# Altium PCB MB1166.PcbDoc (part 17 of 39)
Units mil, origin at the board's own origin, x right, y up, seen from the top; angles counter-clockwise.
Board outline 5000.99 x 2352.96 mil, 4 copper layers (TOP, L2_GND, L3_VCC, BOTTOM), stack 25.9 mil thick; 35 components, 24 nets, 166 pads, 143 vias.
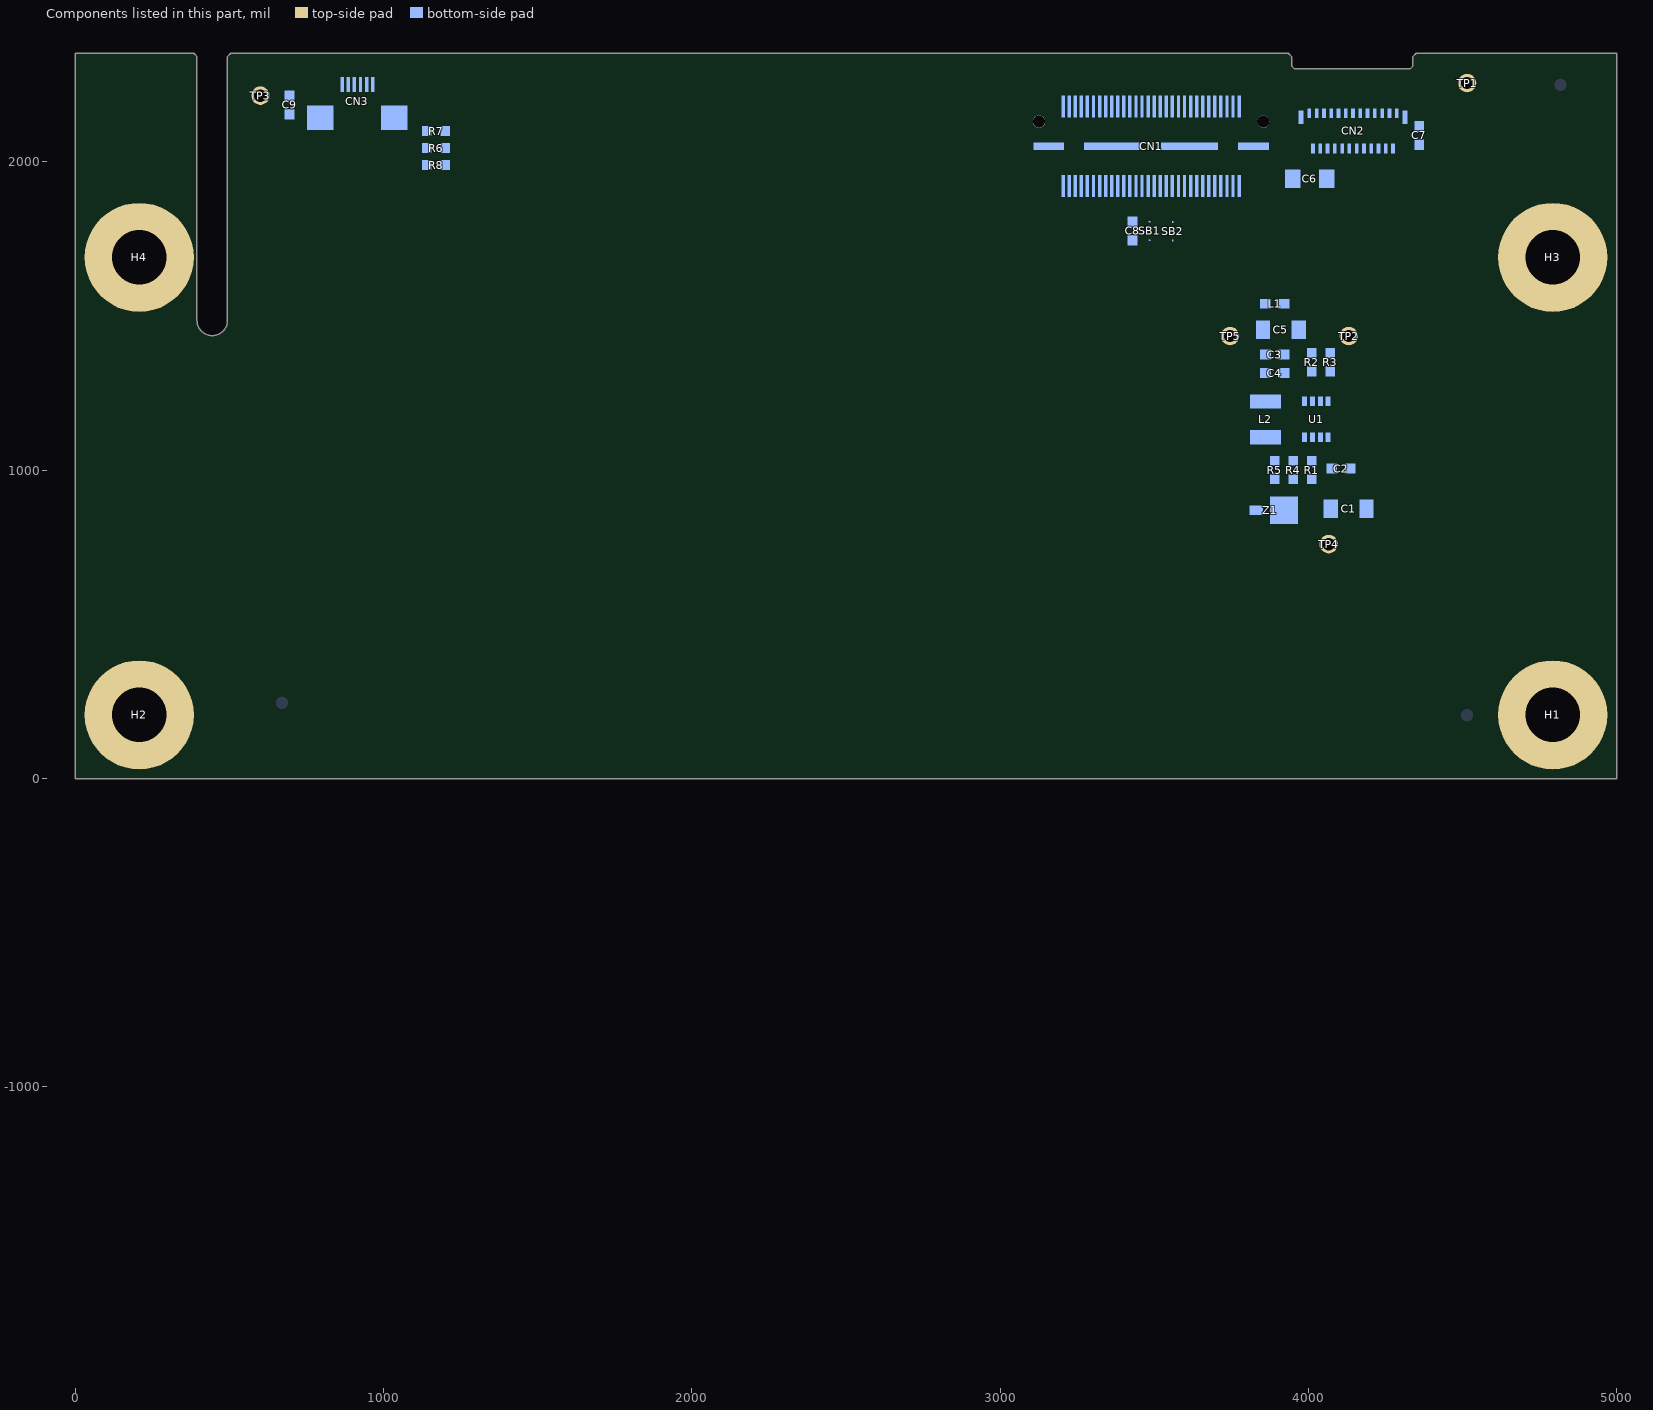
[diagram p19: the components of this part, seen from the top]

## Via types
v1: diameter 24, hole 12, TOP to BOTTOM, 143 vias

## Nets (pads, with @x,y where several pads share a name; then routed paths per layer and width w, separated by ;. In a path a pad name is that pad's centre, name@x,y a point inside that pad or via, vN(x,y) a via of type N, cw(c..) or ccw(c..) an arc to the next point about the centre after c; other vN are vias at no path point) (continued)
copper on no net: (continued)
  TOP w3: 499.92,-1119.36 499.94,-1119.27 ; 499.92,-1119.36 499.94,-1119.27 ; 499.97,-1140.77 499.95,-1140.68 ; 499.97,-1140.77 500,-1140.87 ; 499.97,-1140.77 499.95,-1140.68 ; 499.97,-1140.77 500,-1140.87 ; 499.94,-1119.27 499.96,-1119.17 ; 499.94,-1119.27 499.96,-1119.17 ; 499.96,-1119.17 499.99,-1119.07 ; 499.96,-1119.17 499.99,-1119.07 ; 500.02,-1140.97 500,-1140.87 ; 500.02,-1140.97 500.04,-1141.06 ; 500.02,-1140.97 500,-1140.87 ; 500.02,-1140.97 500.04,-1141.06 ; 499.99,-1119.07 500.01,-1118.97 ; 499.99,-1119.07 500.01,-1118.97 ; 500.01,-1118.97 500.04,-1118.88 ; 500.01,-1118.97 500.04,-1118.88 ; 500.07,-1141.16 500.04,-1141.06 ; 500.07,-1141.16 500.09,-1141.26 ; 500.07,-1141.16 500.04,-1141.06 ; 500.07,-1141.16 500.09,-1141.26 ; 500.04,-1118.88 500.06,-1118.78 ; 500.04,-1118.88 500.06,-1118.78 ; 500.06,-1118.78 500.09,-1118.68 ; 500.06,-1118.78 500.09,-1118.68 ; 500.1,-1233.83 500.2,-1233.87 ; 500.1,-1233.83 500.2,-1233.87 ; 500.12,-1141.35 500.09,-1141.26 ; 500.12,-1141.35 500.14,-1141.45 ; 500.12,-1141.35 500.09,-1141.26 ; 500.12,-1141.35 500.14,-1141.45 ; 500.09,-1118.68 500.11,-1118.59 ; 500.09,-1118.68 500.11,-1118.59 ; 500.11,-1118.59 500.14,-1118.49 ; 500.11,-1118.59 500.14,-1118.49 ; 500.17,-1141.55 500.14,-1141.45 ; 500.17,-1141.55 500.2,-1141.64 ; 500.17,-1141.55 500.14,-1141.45 ; 500.17,-1141.55 500.2,-1141.64 ; 500.14,-1118.49 500.16,-1118.39 ; 500.14,-1118.49 500.16,-1118.39 ; 500.16,-1118.39 500.19,-1118.3 ; 500.16,-1118.39 500.19,-1118.3 ; 500.16,-1088.94 500.26,-1088.91 ; 500.16,-1088.94 500.26,-1088.91 ; 500.2,-1233.87 500.29,-1233.91 ; 500.2,-1233.87 500.29,-1233.91 ; 500.22,-1141.74 500.2,-1141.64 ; 500.22,-1141.74 500.25,-1141.84 ; 500.22,-1141.74 500.2,-1141.64 ; 500.22,-1141.74 500.25,-1141.84 ; 500.19,-1118.3 500.21,-1118.2 ; 500.19,-1118.3 500.21,-1118.2 ; 500.21,-1118.2 500.24,-1118.1 ; 500.21,-1118.2 500.24,-1118.1 ; 500.27,-1141.93 500.25,-1141.84 ; 500.27,-1141.93 500.33,-1142.13 ; 500.27,-1141.93 500.25,-1141.84 ; 500.27,-1141.93 500.33,-1142.13 ; 500.24,-1118.1 500.27,-1118.01 ; 500.24,-1118.1 500.27,-1118.01 ; 500.27,-1118.01 500.3,-1117.91 ; 500.27,-1118.01 500.3,-1117.91 ; 500.26,-1088.91 500.53,-1088.79 ; 500.26,-1088.91 500.53,-1088.79 ; 500.29,-1233.91 500.38,-1233.94 ; 500.29,-1233.91 500.38,-1233.94 ; 500.3,-1117.91 500.32,-1117.82 ; 500.3,-1117.91 500.32,-1117.82 ; 500.32,-1117.82 500.38,-1117.62 ; 500.32,-1117.82 500.38,-1117.62 ; 500.36,-1142.22 500.33,-1142.13 ; 500.36,-1142.22 500.38,-1142.32 ; 500.36,-1142.22 500.33,-1142.13 ; 500.36,-1142.22 500.38,-1142.32 ; 500.38,-1233.94 500.47,-1233.98 ; 500.38,-1233.94 500.47,-1233.98 ; 500.41,-1142.41 500.38,-1142.32 ; 500.41,-1142.41 500.47,-1142.61 ; 500.41,-1142.41 500.38,-1142.32 ; 500.41,-1142.41 500.47,-1142.61 ; 500.38,-1117.62 500.41,-1117.53 ; 500.38,-1117.62 500.41,-1117.53 ; 500.41,-1117.53 500.43,-1117.43 ; 500.41,-1117.53 500.43,-1117.43 ; 500.47,-1233.98 500.57,-1234.02 ; 500.47,-1233.98 500.57,-1234.02 ; 500.47,-1142.61 500.5,-1142.7 ; 500.47,-1142.61 500.5,-1142.7 ; 500.43,-1117.43 500.46,-1117.33 ; 500.43,-1117.43 500.46,-1117.33 ; 500.46,-1117.33 500.49,-1117.24 ; 500.46,-1117.33 500.49,-1117.24 ; 500.5,-1142.7 500.53,-1142.8 ; 500.5,-1142.7 500.53,-1142.8 ; 500.49,-1117.24 500.52,-1117.14 ; 500.49,-1117.24 500.52,-1117.14 ; 500.52,-1117.14 500.55,-1117.05 ; 500.52,-1117.14 500.55,-1117.05 ; 500.57,-1234.02 500.66,-1234.06 ; 500.57,-1234.02 500.66,-1234.06 ; 500.56,-1142.89 500.53,-1142.8 ; 500.56,-1142.89 500.59,-1142.99 ; 500.56,-1142.89 500.53,-1142.8 ; 500.56,-1142.89 500.59,-1142.99 ; 500.55,-1117.05 500.58,-1116.95 ; 500.55,-1117.05 500.58,-1116.95 ; 500.53,-1088.79 500.63,-1088.75 ; 500.53,-1088.79 500.63,-1088.75 ; 500.61,-1143.08 500.59,-1142.99 ; 500.61,-1143.08 500.64,-1143.18 ; 500.61,-1143.08 500.59,-1142.99 ; 500.61,-1143.08 500.64,-1143.18 ; 500.58,-1116.95 500.61,-1116.86 ; 500.58,-1116.95 500.61,-1116.86 ; 500.61,-1116.86 500.64,-1116.76 ; 500.61,-1116.86 500.64,-1116.76 ; 500.66,-1234.06 500.75,-1234.09 ; 500.66,-1234.06 500.75,-1234.09 ; 500.64,-1143.18 500.68,-1143.28 ; 500.64,-1143.18 500.68,-1143.28 ; 500.64,-1116.76 500.67,-1116.67 ; 500.64,-1116.76 500.67,-1116.67 ; 500.67,-1116.67 500.73,-1116.47 ; 500.67,-1116.67 500.73,-1116.47 ; 500.63,-1088.75 500.72,-1088.72 ; 500.63,-1088.75 500.72,-1088.72 ; 500.71,-1143.37 500.68,-1143.28 ; 500.71,-1143.37 500.74,-1143.47 ; 500.71,-1143.37 500.68,-1143.28 ; 500.71,-1143.37 500.74,-1143.47 ; 500.72,-1088.72 500.9,-1088.64 ; 500.72,-1088.72 500.9,-1088.64 ; 500.75,-1234.09 500.84,-1234.13 ; 500.75,-1234.09 500.84,-1234.13 ; 500.77,-1143.56 500.74,-1143.47 ; 500.77,-1143.56 500.8,-1143.66 ; 500.77,-1143.56 500.74,-1143.47 ; 500.77,-1143.56 500.8,-1143.66 ; 500.73,-1116.47 500.76,-1116.38 ; 500.73,-1116.47 500.76,-1116.38 ; 500.76,-1116.38 500.79,-1116.28 ; 500.76,-1116.38 500.79,-1116.28 ; 500.8,-1143.66 500.83,-1143.75 ; 500.8,-1143.66 500.83,-1143.75 ; 500.79,-1116.28 500.82,-1116.19 ; 500.79,-1116.28 500.82,-1116.19 ; 500.82,-1116.19 500.85,-1116.09 ; 500.82,-1116.19 500.85,-1116.09 ; 500.84,-1234.13 500.94,-1234.17 ; 500.84,-1234.13 500.94,-1234.17 ; 500.86,-1143.85 500.83,-1143.75 ; 500.86,-1143.85 500.89,-1143.94 ; 500.86,-1143.85 500.83,-1143.75 ; 500.86,-1143.85 500.89,-1143.94 ; 500.85,-1116.09 500.88,-1116 ; 500.85,-1116.09 500.88,-1116 ; 500.89,-1143.94 500.93,-1144.04 ; 500.89,-1143.94 500.93,-1144.04 ; 500.88,-1116 500.91,-1115.9 ; 500.88,-1116 500.91,-1115.9 ; 500.91,-1115.9 500.94,-1115.81 ; 500.91,-1115.9 500.94,-1115.81 ; 500.9,-1088.64 501,-1088.6 ; 500.9,-1088.64 501,-1088.6 ; 500.94,-1234.17 501.03,-1234.21 ; 500.94,-1234.17 501.03,-1234.21 ; 500.93,-1144.04 500.99,-1144.22 ; 500.93,-1144.04 500.99,-1144.22 ; 500.94,-1115.81 500.98,-1115.71 ; 500.94,-1115.81 500.98,-1115.71 ; 501.02,-1144.32 500.99,-1144.22 ; 501.02,-1144.32 501.06,-1144.41 ; 501.02,-1144.32 500.99,-1144.22 ; 501.02,-1144.32 501.06,-1144.41 ; 500.98,-1115.71 501.04,-1115.53 ; 500.98,-1115.71 501.04,-1115.53 ; 501,-1088.6 501.09,-1088.57 ; 501,-1088.6 501.09,-1088.57 ; 501.03,-1234.21 501.12,-1234.24 ; 501.03,-1234.21 501.12,-1234.24 ; 501.06,-1144.41 501.09,-1144.51 ; 501.06,-1144.41 501.09,-1144.51 ; 501.04,-1115.53 501.07,-1115.43 ; 501.04,-1115.53 501.07,-1115.43 ; 501.07,-1115.43 501.1,-1115.34 ; 501.07,-1115.43 501.1,-1115.34 ; 501.12,-1234.24 501.21,-1234.28 ; 501.12,-1234.24 501.21,-1234.28 ; 501.09,-1144.51 501.13,-1144.6 ; 501.09,-1144.51 501.13,-1144.6 ; 501.1,-1115.34 501.14,-1115.24 ; 501.1,-1115.34 501.14,-1115.24 ; 501.09,-1088.57 501.18,-1088.53 ; 501.09,-1088.57 501.18,-1088.53 ; 501.16,-1144.7 501.13,-1144.6 ; 501.16,-1144.7 501.19,-1144.79 ; 501.16,-1144.7 501.13,-1144.6 ; 501.16,-1144.7 501.19,-1144.79 ; 501.14,-1115.24 501.17,-1115.15 ; 501.14,-1115.24 501.17,-1115.15 ; 501.17,-1115.15 501.2,-1115.05 ; 501.17,-1115.15 501.2,-1115.05 ; 501.21,-1234.28 501.31,-1234.32 ; 501.21,-1234.28 501.31,-1234.32 ; 501.19,-1144.79 501.23,-1144.88 ; 501.19,-1144.79 501.23,-1144.88 ; 501.2,-1115.05 501.24,-1114.96 ; 501.2,-1115.05 501.24,-1114.96 ; 501.18,-1088.53 501.28,-1088.49 ; 501.18,-1088.53 501.28,-1088.49 ; 501.26,-1144.98 501.23,-1144.88 ; 501.26,-1144.98 501.3,-1145.07 ; 501.26,-1144.98 501.23,-1144.88 ; 501.26,-1144.98 501.3,-1145.07 ; 501.24,-1114.96 501.27,-1114.86 ; 501.24,-1114.96 501.27,-1114.86 ; 501.27,-1114.86 501.3,-1114.77 ; 501.27,-1114.86 501.3,-1114.77 ; 501.31,-1234.32 501.4,-1234.35 ; 501.31,-1234.32 501.4,-1234.35 ; 501.3,-1145.07 501.33,-1145.16 ; 501.3,-1145.07 501.33,-1145.16 ; 501.3,-1114.77 501.34,-1114.68 ; 501.3,-1114.77 501.34,-1114.68 ; 501.28,-1088.49 501.37,-1088.46 ; 501.28,-1088.49 501.37,-1088.46 ; 501.37,-1145.26 501.33,-1145.16 ; 501.37,-1145.26 501.4,-1145.35 ; 501.37,-1145.26 501.33,-1145.16 ; 501.37,-1145.26 501.4,-1145.35 ; 501.34,-1114.68 501.37,-1114.58 ; 501.34,-1114.68 501.37,-1114.58 ; 501.37,-1114.58 501.41,-1114.49 ; 501.37,-1114.58 501.41,-1114.49 ; 501.37,-1088.46 501.46,-1088.42 ; 501.37,-1088.46 501.46,-1088.42 ; 501.4,-1234.35 501.49,-1234.39 ; 501.4,-1234.35 501.49,-1234.39 ; 501.4,-1145.35 501.44,-1145.44 ; 501.4,-1145.35 501.44,-1145.44 ; 501.41,-1114.49 501.44,-1114.39 ; 501.41,-1114.49 501.44,-1114.39 ; 501.44,-1145.44 501.48,-1145.54 ; 501.44,-1145.44 501.48,-1145.54 ; 501.44,-1114.39 501.48,-1114.3 ; 501.44,-1114.39 501.48,-1114.3 ; 501.46,-1088.42 501.56,-1088.38 ; 501.46,-1088.42 501.56,-1088.38 ; 501.49,-1234.39 501.59,-1234.43 ; 501.49,-1234.39 501.59,-1234.43 ; 501.51,-1145.63 501.48,-1145.54 ; 501.51,-1145.63 501.55,-1145.72 ; 501.51,-1145.63 501.48,-1145.54 ; 501.51,-1145.63 501.55,-1145.72 ; 501.48,-1114.3 501.51,-1114.21 ; 501.48,-1114.3 501.51,-1114.21 ; 501.51,-1114.21 501.55,-1114.11 ; 501.51,-1114.21 501.55,-1114.11 ; 501.55,-1145.72 501.59,-1145.82 ; 501.55,-1145.72 501.59,-1145.82 ; 501.55,-1114.11 501.58,-1114.02 ; 501.55,-1114.11 501.58,-1114.02 ; 501.56,-1088.38 501.65,-1088.35 ; 501.56,-1088.38 501.65,-1088.35 ; 501.59,-1234.43 501.68,-1234.46 ; 501.59,-1234.43 501.68,-1234.46 ; 501.62,-1145.91 501.59,-1145.82 ; 501.62,-1145.91 501.7,-1146.09 ; 501.62,-1145.91 501.59,-1145.82 ; 501.62,-1145.91 501.7,-1146.09 ; 501.58,-1114.02 501.62,-1113.93 ; 501.58,-1114.02 501.62,-1113.93 ; 501.62,-1113.93 501.65,-1113.83 ; 501.62,-1113.93 501.65,-1113.83 ; 501.65,-1113.83 501.73,-1113.65 ; 501.65,-1113.83 501.73,-1113.65 ; 501.65,-1088.35 501.83,-1088.27 ; 501.65,-1088.35 501.83,-1088.27 ; 501.68,-1234.46 501.77,-1234.5 ; 501.68,-1234.46 501.77,-1234.5 ; 501.7,-1146.09 501.74,-1146.19 ; 501.7,-1146.09 501.74,-1146.19 ; 501.77,-1234.5 501.87,-1234.54 ; 501.77,-1234.5 501.87,-1234.54 ; 501.74,-1146.19 501.78,-1146.28 ; 501.74,-1146.19 501.78,-1146.28 ; 501.73,-1113.65 501.76,-1113.55 ; 501.73,-1113.65 501.76,-1113.55 ; 501.76,-1113.55 501.84,-1113.37 ; 501.76,-1113.55 501.84,-1113.37 ; 501.81,-1146.37 501.78,-1146.28 ; 501.81,-1146.37 501.85,-1146.46 ; 501.81,-1146.37 501.78,-1146.28 ; 501.81,-1146.37 501.85,-1146.46 ; 501.87,-1234.54 501.96,-1234.57 ; 501.87,-1234.54 501.96,-1234.57 ; 501.85,-1146.46 501.89,-1146.56 ; 501.85,-1146.46 501.89,-1146.56 ; 501.84,-1113.37 501.87,-1113.27 ; 501.84,-1113.37 501.87,-1113.27 ; 501.87,-1113.27 501.95,-1113.09 ; 501.87,-1113.27 501.95,-1113.09 ; 501.83,-1088.27 501.93,-1088.24 ; 501.83,-1088.27 501.93,-1088.24 ; 501.89,-1146.56 502.05,-1146.92 ; 501.89,-1146.56 502.05,-1146.92 ; 501.96,-1234.57 502.05,-1234.61 ; 501.96,-1234.57 502.05,-1234.61 ; 501.95,-1113.09 501.98,-1113 ; 501.95,-1113.09 501.98,-1113 ; 501.93,-1088.24 502.02,-1088.2 ; 501.93,-1088.24 502.02,-1088.2 ; 501.98,-1113 502.02,-1112.9 ; 501.98,-1113 502.02,-1112.9 ; 502.02,-1112.9 502.1,-1112.72 ; 502.02,-1112.9 502.1,-1112.72 ; 502.02,-1088.2 502.11,-1088.17 ; 502.02,-1088.2 502.11,-1088.17 ; 502.05,-1234.61 502.15,-1234.64 ; 502.05,-1234.61 502.15,-1234.64 ; 502.05,-1146.92 502.09,-1147.02 ; 502.05,-1146.92 502.09,-1147.02 ; 502.09,-1147.02 502.37,-1147.65 ; 502.09,-1147.02 502.37,-1147.65 ; 502.1,-1112.72 502.13,-1112.63 ; 502.1,-1112.72 502.13,-1112.63 ; 502.11,-1088.17 502.21,-1088.13 ; 502.11,-1088.17 502.21,-1088.13 ; 502.15,-1234.64 502.33,-1234.72 ; 502.15,-1234.64 502.33,-1234.72 ; 502.13,-1112.63 502.17,-1112.53 ; 502.13,-1112.63 502.17,-1112.53 ; 502.17,-1112.53 502.29,-1112.26 ; 502.17,-1112.53 502.29,-1112.26 ; 502.21,-1088.13 502.3,-1088.09 ; 502.21,-1088.13 502.3,-1088.09 ; 502.29,-1112.26 502.33,-1112.16 ; 502.29,-1112.26 502.33,-1112.16 ; 502.3,-1088.09 502.4,-1088.06 ; 502.3,-1088.09 502.4,-1088.06 ; 502.33,-1234.72 502.43,-1234.75 ; 502.33,-1234.72 502.43,-1234.75 ; 502.37,-1147.65 502.42,-1147.75 ; 502.37,-1147.65 502.42,-1147.75 ; 502.33,-1112.16 502.41,-1111.98 ; 502.33,-1112.16 502.41,-1111.98 ; 502.42,-1147.75 502.54,-1148.02 ; 502.42,-1147.75 502.54,-1148.02 ; 502.41,-1111.98 502.44,-1111.89 ; 502.41,-1111.98 502.44,-1111.89 ; 502.4,-1088.06 502.49,-1088.02 ; 502.4,-1088.06 502.49,-1088.02 ; 502.43,-1234.75 502.52,-1234.79 ; 502.43,-1234.75 502.52,-1234.79 ; 502.44,-1111.89 502.48,-1111.8 ; 502.44,-1111.89 502.48,-1111.8 ; 502.52,-1234.79 502.61,-1234.82 ; 502.52,-1234.79 502.61,-1234.82 ; 502.48,-1111.8 502.52,-1111.7 ; 502.48,-1111.8 502.52,-1111.7 ; 502.52,-1111.7 502.72,-1111.25 ; 502.52,-1111.7 502.72,-1111.25 ; 502.49,-1088.02 502.58,-1087.99 ; 502.49,-1088.02 502.58,-1087.99 ; 502.54,-1148.02 502.59,-1148.11 ; 502.54,-1148.02 502.59,-1148.11 ; 502.61,-1234.82 502.71,-1234.86 ; 502.61,-1234.82 502.71,-1234.86 ; 502.59,-1148.11 502.71,-1148.38 ; 502.59,-1148.11 502.71,-1148.38 ; 502.58,-1087.99 502.68,-1087.95 ; 502.58,-1087.99 502.68,-1087.95 ; 502.71,-1234.86 502.8,-1234.89 ; 502.71,-1234.86 502.8,-1234.89 ; 502.71,-1148.38 502.76,-1148.47 ; 502.71,-1148.38 502.76,-1148.47 ; 502.72,-1111.25 502.76,-1111.15 ; 502.72,-1111.25 502.76,-1111.15 ; 502.68,-1087.95 502.77,-1087.92 ; 502.68,-1087.95 502.77,-1087.92 ; 502.76,-1148.47 502.84,-1148.65 ; 502.76,-1148.47 502.84,-1148.65 ; 502.76,-1111.15 502.81,-1111.06 ; 502.76,-1111.15 502.81,-1111.06 ; 502.77,-1087.92 502.86,-1087.88 ; 502.77,-1087.92 502.86,-1087.88 ; 502.8,-1234.89 502.89,-1234.93 ; 502.8,-1234.89 502.89,-1234.93 ; 502.81,-1111.06 503.09,-1110.43 ; 502.81,-1111.06 503.09,-1110.43 ; 502.84,-1148.65 502.89,-1148.74 ; 502.84,-1148.65 502.89,-1148.74 ; 502.86,-1087.88 502.96,-1087.85 ; 502.86,-1087.88 502.96,-1087.85 ; 502.89,-1234.93 502.99,-1234.96 ; 502.89,-1234.93 502.99,-1234.96 ; 502.89,-1148.74 502.93,-1148.83 ; 502.89,-1148.74 502.93,-1148.83 ; 502.93,-1148.83 502.98,-1148.92 ; 502.93,-1148.83 502.98,-1148.92 ; 502.96,-1087.85 503.05,-1087.81 ; 502.96,-1087.85 503.05,-1087.81 ; 502.99,-1234.96 503.08,-1235 ; 502.99,-1234.96 503.08,-1235 ; 503.02,-1149.01 502.98,-1148.92 ; 503.02,-1149.01 503.07,-1149.1 ; 503.02,-1149.01 502.98,-1148.92 ; 503.02,-1149.01 503.07,-1149.1 ; 503.07,-1149.1 503.11,-1149.19 ; 503.07,-1149.1 503.11,-1149.19 ; 503.05,-1087.81 503.14,-1087.78 ; 503.05,-1087.81 503.14,-1087.78 ; 503.08,-1235 503.18,-1235.03 ; 503.08,-1235 503.18,-1235.03 ; 503.11,-1149.19 503.16,-1149.28 ; 503.11,-1149.19 503.16,-1149.28 ; 503.09,-1110.43 503.14,-1110.34 ; 503.09,-1110.43 503.14,-1110.34 ; 503.16,-1149.28 503.2,-1149.36 ; 503.16,-1149.28 503.2,-1149.36 ; 503.14,-1110.34 503.18,-1110.24 ; 503.14,-1110.34 503.18,-1110.24 ; 503.14,-1087.78 503.24,-1087.75 ; 503.14,-1087.78 503.24,-1087.75 ; 503.18,-1235.03 503.27,-1235.07 ; 503.18,-1235.03 503.27,-1235.07 ; 503.2,-1149.36 503.25,-1149.45 ; 503.2,-1149.36 503.25,-1149.45 ; 503.18,-1110.24 503.3,-1109.97 ; 503.18,-1110.24 503.3,-1109.97 ; 503.27,-1235.07 503.36,-1235.1 ; 503.27,-1235.07 503.36,-1235.1 ; 503.25,-1149.45 503.29,-1149.54 ; 503.25,-1149.45 503.29,-1149.54 ; 503.24,-1087.75 503.33,-1087.71 ; 503.24,-1087.75 503.33,-1087.71 ; 503.29,-1149.54 503.39,-1149.72 ; 503.29,-1149.54 503.39,-1149.72 ; 503.3,-1109.97 503.35,-1109.88 ; 503.3,-1109.97 503.35,-1109.88 ; 503.36,-1235.1 503.46,-1235.13 ; 503.36,-1235.1 503.46,-1235.13 ; 503.35,-1109.88 503.43,-1109.7 ; 503.35,-1109.88 503.43,-1109.7 ; 503.33,-1087.71 503.43,-1087.68 ; 503.33,-1087.71 503.43,-1087.68 ; 503.39,-1149.72 503.43,-1149.81 ; 503.39,-1149.72 503.43,-1149.81 ; 503.46,-1235.13 503.55,-1235.17 ; 503.46,-1235.13 503.55,-1235.17 ; 503.43,-1149.81 503.48,-1149.9 ; 503.43,-1149.81 503.48,-1149.9 ; 503.43,-1109.7 503.48,-1109.61 ; 503.43,-1109.7 503.48,-1109.61 ; 503.43,-1087.68 503.52,-1087.64 ; 503.43,-1087.68 503.52,-1087.64 ; 503.48,-1149.9 503.53,-1149.98 ; 503.48,-1149.9 503.53,-1149.98 ; 503.48,-1109.61 503.56,-1109.43 ; 503.48,-1109.61 503.56,-1109.43 ; 503.52,-1087.64 503.61,-1087.61 ; 503.52,-1087.64 503.61,-1087.61 ; 503.55,-1235.17 503.65,-1235.2 ; 503.55,-1235.17 503.65,-1235.2 ; 503.57,-1150.07 503.53,-1149.98 ; 503.57,-1150.07 503.72,-1150.34 ; 503.57,-1150.07 503.53,-1149.98 ; 503.57,-1150.07 503.72,-1150.34 ; 503.56,-1109.43 503.61,-1109.34 ; 503.56,-1109.43 503.61,-1109.34 ; 503.61,-1109.34 503.69,-1109.16 ; 503.61,-1109.34 503.69,-1109.16 ; 503.61,-1087.61 503.71,-1087.57 ; 503.61,-1087.61 503.71,-1087.57 ; 503.65,-1235.19 504.01,-1234.71 ; 503.65,-1235.19 504.01,-1234.71 ; 503.72,-1150.34 503.76,-1150.43 ; 503.72,-1150.34 503.76,-1150.43 ; 503.69,-1109.16 503.74,-1109.07 ; 503.69,-1109.16 503.74,-1109.07 ; 503.71,-1087.57 503.8,-1087.54 ; 503.71,-1087.57 503.8,-1087.54 ; 503.76,-1150.43 503.81,-1150.51 ; 503.76,-1150.43 503.81,-1150.51 ; 503.74,-1109.07 503.82,-1108.89 ; 503.74,-1109.07 503.82,-1108.89 ; 503.81,-1150.51 503.96,-1150.78 ; 503.81,-1150.51 503.96,-1150.78 ; 503.82,-1108.89 503.87,-1108.8 ; 503.82,-1108.89 503.87,-1108.8 ; 503.8,-1087.54 503.9,-1087.51 ; 503.8,-1087.54 503.9,-1087.51 ; 503.87,-1108.8 503.91,-1108.71 ; 503.87,-1108.8 503.91,-1108.71 ; 503.91,-1108.71 503.96,-1108.62 ; 503.91,-1108.71 503.96,-1108.62 ; 503.9,-1087.51 503.99,-1087.47 ; 503.9,-1087.51 503.99,-1087.47 ; 503.96,-1150.78 504.01,-1150.86 ; 503.96,-1150.78 504.01,-1150.86 ; 503.96,-1108.62 504,-1108.53 ; 503.96,-1108.62 504,-1108.53 ; 504.01,-1234.71 504.07,-1234.64 ; 504.01,-1234.71 504.07,-1234.64 ; 504.01,-1150.86 504.05,-1150.95 ; 504.01,-1150.86 504.05,-1150.95 ; 504,-1108.53 504.05,-1108.44 ; 504,-1108.53 504.05,-1108.44 ; 503.99,-1087.47 504.09,-1087.44 ; 503.99,-1087.47 504.09,-1087.44 ; 504.07,-1234.64 504.43,-1234.16 ; 504.07,-1234.64 504.43,-1234.16 ; 504.05,-1150.95 504.1,-1151.04 ; 504.05,-1150.95 504.1,-1151.04 ; 504.05,-1108.44 504.09,-1108.35 ; 504.05,-1108.44 504.09,-1108.35 ; 504.1,-1151.04 504.15,-1151.12 ; 504.1,-1151.04 504.15,-1151.12 ; 504.09,-1108.35 504.14,-1108.26 ; 504.09,-1108.35 504.14,-1108.26 ; 504.09,-1087.44 504.18,-1087.41 ; 504.09,-1087.44 504.18,-1087.41 ; 504.15,-1151.12 504.25,-1151.3 ; 504.15,-1151.12 504.25,-1151.3 ; 504.14,-1108.26 504.18,-1108.17 ; 504.14,-1108.26 504.18,-1108.17 ; 504.18,-1108.17 504.23,-1108.09 ; 504.18,-1108.17 504.23,-1108.09 ; 504.18,-1087.41 504.27,-1087.37 ; 504.18,-1087.41 504.27,-1087.37 ; 504.25,-1151.3 504.3,-1151.38 ; 504.25,-1151.3 504.3,-1151.38 ; 504.23,-1108.09 504.27,-1108 ; 504.23,-1108.09 504.27,-1108 ; 504.27,-1108 504.32,-1107.91 ; 504.27,-1108 504.32,-1107.91 ; 504.27,-1087.37 504.37,-1087.34 ; 504.27,-1087.37 504.37,-1087.34 ; 504.3,-1151.38 504.4,-1151.56 ; 504.3,-1151.38 504.4,-1151.56 ; 504.32,-1107.91 504.36,-1107.82 ; 504.32,-1107.91 504.36,-1107.82 ; 504.36,-1107.82 504.41,-1107.73 ; 504.36,-1107.82 504.41,-1107.73 ; 504.37,-1087.34 504.46,-1087.31 ; 504.37,-1087.34 504.46,-1087.31 ; 504.4,-1151.56 504.45,-1151.64 ; 504.4,-1151.56 504.45,-1151.64 ; 504.41,-1107.73 504.45,-1107.64 ; 504.41,-1107.73 504.45,-1107.64 ; 504.43,-1234.16 504.5,-1234.08 ; 504.43,-1234.16 504.5,-1234.08 ; 504.45,-1151.64 504.55,-1151.82 ; 504.45,-1151.64 504.55,-1151.82 ; 504.45,-1107.64 504.5,-1107.55 ; 504.45,-1107.64 504.5,-1107.55 ; 504.46,-1087.31 504.56,-1087.28 ; 504.46,-1087.31 504.56,-1087.28 ; 504.5,-1234.08 504.74,-1233.76 ; 504.5,-1234.08 504.74,-1233.76 ; 504.5,-1107.55 504.54,-1107.46 ; 504.5,-1107.55 504.54,-1107.46 ; 504.55,-1151.82 504.6,-1151.9 ; 504.55,-1151.82 504.6,-1151.9 ; 504.54,-1107.46 504.64,-1107.28 ; 504.54,-1107.46 504.64,-1107.28 ; 504.56,-1087.28 504.65,-1087.24 ; 504.56,-1087.28 504.65,-1087.24 ; 504.6,-1151.9 504.66,-1151.99 ; 504.6,-1151.9 504.66,-1151.99 ; 504.66,-1151.99 504.71,-1152.07 ; 504.66,-1151.99 504.71,-1152.07 ; 504.64,-1107.28 504.68,-1107.2 ; 504.64,-1107.28 504.68,-1107.2 ; 504.65,-1087.24 504.75,-1087.21 ; 504.65,-1087.24 504.75,-1087.21 ; 504.71,-1152.07 504.81,-1152.25 ; 504.71,-1152.07 504.81,-1152.25 ; 504.68,-1107.2 504.78,-1107.02 ; 504.68,-1107.2 504.78,-1107.02 ; 504.74,-1233.76 504.8,-1233.69 ; 504.74,-1233.76 504.8,-1233.69 ; 504.75,-1087.21 504.84,-1087.18 ; 504.75,-1087.21 504.84,-1087.18 ; 504.8,-1233.69 504.87,-1233.61 ; 504.8,-1233.69 504.87,-1233.61 ; 504.81,-1152.25 504.86,-1152.33 ; 504.81,-1152.25 504.86,-1152.33 ; 504.78,-1107.02 504.82,-1106.93 ; 504.78,-1107.02 504.82,-1106.93 ; 504.82,-1106.93 504.92,-1106.75 ; 504.82,-1106.93 504.92,-1106.75 ; 504.87,-1233.61 505.11,-1233.29 ; 504.87,-1233.61 505.11,-1233.29 ; 504.86,-1152.33 504.91,-1152.42 